# Altium PCB FMC_ADC_100M_10B_16CHA_TDC.PcbDoc (part 1 of 4) (continued)
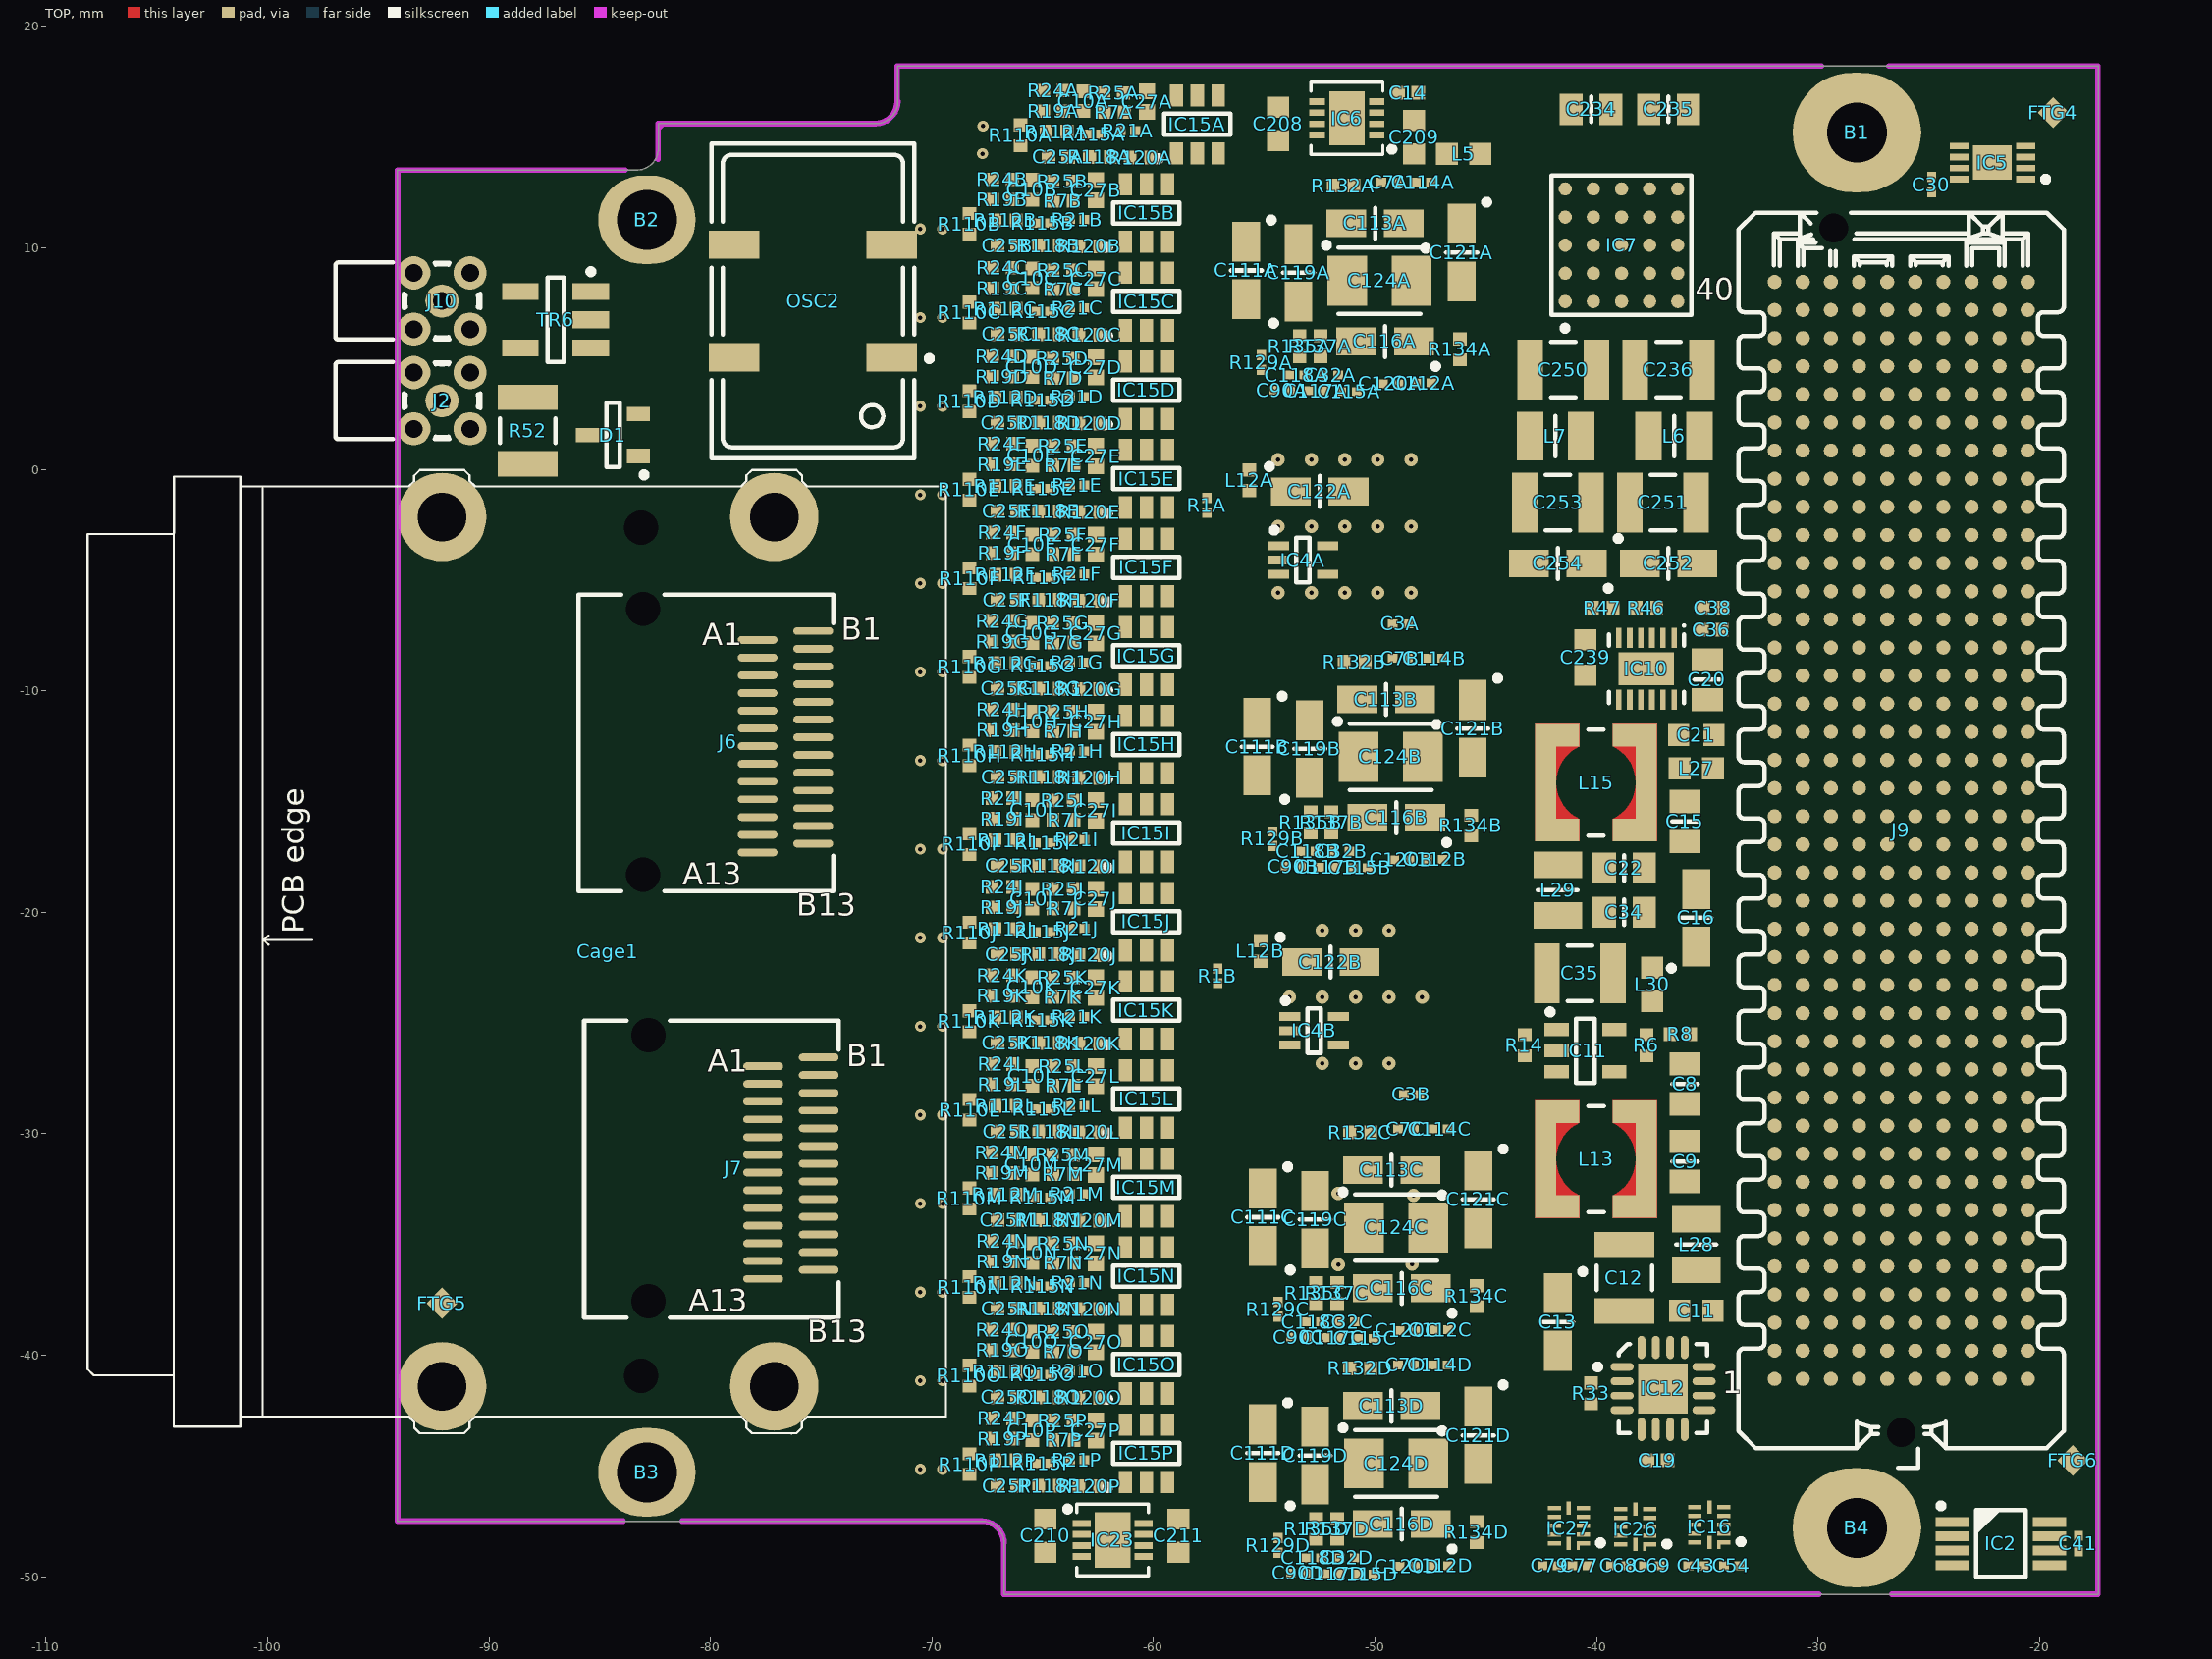
[diagram p0: TOP view]
## Classes and differential pairs (continued)
component class U_CFD6: C10G C23G C24G C25G C26G C27G C89G IC15G IC22G J1G J5G R7G R19G R21G R24G R25G R110G R111G R112G R113G R114G R115G R116G R117G R118G R120G
component class U_CFD5: C10F C23F C24F C25F C26F C27F C89F IC15F IC22F J1F J5F R7F R19F R21F R24F R25F R110F R111F R112F R113F R114F R115F R116F R117F R118F R120F
component class U_CFD4: C10E C23E C24E C25E C26E C27E C89E IC15E IC22E J1E J5E R7E R19E R21E R24E R25E R110E R111E R112E R113E R114E R115E R116E R117E R118E R120E
component class U_ADC0: C1A C2A C3A C4A C5A C6A C122A IC1A IC4A L12A R1A
component class U_ADC1: C1B C2B C3B C4B C5B C6B C122B IC1B IC4B L12B R1B
component class U_SAS_Connectors: Cage1 J6 J7 L1 L2 L4 L11 L14 L16 L17 L18 L19 L20 L21 L22 L23 L24 L25 L26
component class U_CFD3: C10D C23D C24D C25D C26D C27D C89D IC15D IC22D J1D J5D R7D R19D R21D R24D R25D R110D R111D R112D R113D R114D R115D R116D R117D R118D R120D
component class U_CFD2: C10C C23C C24C C25C C26C C27C C89C IC15C IC22C J1C J5C R7C R19C R21C R24C R25C R110C R111C R112C R113C R114C R115C R116C R117C R118C R120C
component class U_CFD1: C10B C23B C24B C25B C26B C27B C89B IC15B IC22B J1B J5B R7B R19B R21B R24B R25B R110B R111B R112B R113B R114B R115B R116B R117B R118B R120B
component class U_CFD0: C10A C23A C24A C25A C26A C27A C89A IC15A IC22A J1A J5A R7A R19A R21A R24A R25A R110A R111A R112A R113A R114A R115A R116A R117A R118A R120A
pad class Direc: B1-1 B2-1 B3-1 B4-1 J3-37 J3-38
pad class SMA: J6-2 J7-2
component class "U_FMC connector": B1 B2 B3 B4 J9 R23 R27 R74
component class U_Clock_circuit: C28 C29 C33 C44 C45 C46 C47 C48 C49 C50 C51 C52 C53 C55 C56 C57 C58 C59 C60 C61 C62 C63 C70 C71 C72 C73 C74 C75 C123 C131 C196 IC3 IC24 J10 L3 L10 OSC2 R20 R26 R29 R30 R31 R40 R48 R54 R82 R165 TP15 TP30 TR6
component class U_EEPROM_Temp: C30 C31 C41 FTG1 FTG2 FTG3 FTG4 FTG5 FTG6 IC2 IC5 IC13 R4 R5 R32 R39 R42 R43 R44
component class U_power_supply: C8 C9 C11 C12 C13 C14 C15 C16 C17 C18 C19 C20 C21 C22 C34 C35 C36 C38 C208 C209 C210 C211 C212 C233 C234 C235 C236 C239 C248 C250 C251 C252 C253 C254 IC6 IC7 IC9 IC10 IC11 IC12 IC23 L5 L6 L7 L8 L9 L13 L15 L27 L28 L29 L30 LD3 LD5 LD8 R6 R8 R9 R11 R14 R17 R33 R34 R36 R38 R45 R46 R47 R49 TP2 TP3 TP4 TP5 TP6 TP7 TP8 TP9
component class IDX_CTRL: C40 C42 C103 C104 D1 IC14 IC17 L31 R50 R52 R75 T3
channel class ADC: U_ADC0 U_ADC1
differential pair VCXO: +VCXO_P -VCXO_N
differential pair LCLKINA: +LCLKINA_P -LCLKINA_N
differential pair LA16: +LA16_P -LA16_N
differential pair IDX3.SIG: +IDX3.SIG_P -IDX3.SIG_N
differential pair IDX2.SIG: +IDX2.SIG_P -IDX2.SIG_N
differential pair IDX1.SIG: +IDX1.SIG_P -IDX1.SIG_N
differential pair IDX0.SIG: +IDX0.SIG_P -IDX0.SIG_N
differential pair CLK1_M2C: +CLK1_M2C_P -CLK1_M2C_N
differential pair CLK0_M2C: +CLK0_M2C_P -CLK0_M2C_N
differential pair VCXO_IN: +VCXO_IN_P -VCXO_IN_N
differential pair SYSREF: +SYSREF_P -SYSREF_N
differential pair REFCLKD: +REFCLKD_P -REFCLKD_N
differential pair REFCLKC: +REFCLKC_P -REFCLKC_N
differential pair REFCLKB: +REFCLKB_P -REFCLKB_N
differential pair REFCLKA: +REFCLKA_P -REFCLKA_N
differential pair REFB: +REFB_P -REFB_N
differential pair REFA: +REFA_P -REFA_N
differential pair LCLKIND: +LCLKIND_P -LCLKIND_N
differential pair LCLKINC: +LCLKINC_P -LCLKINC_N
differential pair LCLKINB: +LCLKINB_P -LCLKINB_N
differential pair ADC_CLKB: +ADC_CLKB_P -ADC_CLKB_N
differential pair ADC_CLKA: +ADC_CLKA_P -ADC_CLKA_N
differential pair RF_AUX: +RF_AUX_P -RF_AUX_N
differential pair CLK3_BIDIR: +CLK3_BIDIR_P -CLK3_BIDIR_N

## Components (designator, comment, footprint, x,y, rotation, side; value= is the part's Value field where it differs from the comment)
B1 "Plated Hole" MTG300_600#1 -28.247,15.21 r0 top locked
B2 "Plated Hole" MTG300_600#2 -82.872,11.264 r0 top locked
B3 "Plated Hole" MTG300_600#3 -82.872,-45.286 r0 top locked
B4 "Plated Hole" MTG300_600#1 -28.247,-47.79 r0 top
C1A "100nF" CAPC0603X33N -57.25,-1.971 r0 bottom (schematic designator C1)
C1B "100nF" CAPC0603X33N -56.75,-23.221 r0 bottom (schematic designator C1)
C2A "100nF" CAPC0603X33N -57.25,-1.271 r0 bottom (schematic designator C2)
C2B "100nF" CAPC0603X33N -56.75,-22.521 r0 bottom (schematic designator C2)
C3A "100nF" CAPC0603X33N -48.85,-6.971 r0 top (schematic designator C3)
C3B "100nF" CAPC0603X33N -48.35,-28.221 r0 top (schematic designator C3)
C4A "100nF" CAPC0603X33N -57.25,-2.671 r0 bottom (schematic designator C4)
C4B "100nF" CAPC0603X33N -56.75,-23.921 r0 bottom (schematic designator C4)
C5A "100nF" CAPC0603X33N -57.25,-0.571 r0 bottom (schematic designator C5)
C5B "100nF" CAPC0603X33N -56.75,-21.821 r0 bottom (schematic designator C5)
C6A "100nF" CAPC0603X33N -57.275,-5.821 r0 bottom (schematic designator C6)
C6B "100nF" CAPC0603X33N -56.775,-27.071 r0 bottom (schematic designator C6)
C7A "100nF" CAPC0603X33N -49.36,12.963 r180 top (schematic designator C7)
C7B "100nF" CAPC0603X33N -48.86,-8.537 r180 top (schematic designator C7)
C7C "100nF" CAPC0603X33N -48.61,-29.787 r180 top (schematic designator C7)
C7D "100nF" CAPC0603X33N -48.61,-40.437 r180 top (schematic designator C7)
C8 "22uF" CAPC2012X135N -36,-27.75 r90 top
C9 "22uF" CAPC2012X135N -36,-31.25 r270 top
C10A "220pF" CAPC1005X55N -63.175,16.625 r270 top (schematic designator C10)
C10B "220pF" CAPC1005X55N -65.475,12.625 r270 top (schematic designator C10)
C10C "220pF" CAPC1005X55N -65.475,8.625 r270 top (schematic designator C10)
C10D "220pF" CAPC1005X55N -65.475,4.625 r270 top (schematic designator C10)
C10E "220pF" CAPC1005X55N -65.475,0.61 r270 top (schematic designator C10)
C10F "220pF" CAPC1005X55N -65.475,-3.39 r270 top (schematic designator C10)
C10G "220pF" CAPC1005X55N -65.475,-7.39 r270 top (schematic designator C10)
C10H "220pF" CAPC1005X55N -65.475,-11.39 r270 top (schematic designator C10)
C10I "220pF" CAPC1005X55N -65.475,-15.39 r270 top (schematic designator C10)
C10J "220pF" CAPC1005X55N -65.475,-19.39 r270 top (schematic designator C10)
C10K "220pF" CAPC1005X55N -65.475,-23.39 r270 top (schematic designator C10)
C10L "220pF" CAPC1005X55N -65.475,-27.39 r270 top (schematic designator C10)
C10M "220pF" CAPC1005X55N -65.475,-31.39 r270 top (schematic designator C10)
C10N "220pF" CAPC1005X55N -65.475,-35.39 r270 top (schematic designator C10)
C10O "220pF" CAPC1005X55N -65.475,-39.39 r270 top (schematic designator C10)
C10P "220pF" CAPC1005X55N -65.475,-43.39 r270 top (schematic designator C10)
C11 "4.7uF" CAPC1709X95N -35.5,-38 r180 top
C12 "47uF" CAPC3225X270N -38.75,-36.5 r270 top
C13 "10uF" CAPMP3216X180N -41.75,-38.5 r270 top
C14 "10nF" CAPC1005X55N -48.5,17 r180 top
C15 "22uF" CAPC2012X135N -36,-15.9 r90 top
C16 "10uF" CAPMP3216X180N -35.5,-20.25 r90 top
C17 "10nF" CAPC1005X55N -81.5,-21.75 r0 bottom
C18 "10nF" CAPC1005X55N -63,-48.8 r270 bottom
C19 "10nF" CAPC1005X55N -37.25,-44.75 r0 top
C20 "10uF" CAPC2012X135N -35,-9.5 r270 top
C21 "2.2uF" CAPC1608X87N -35.5,-12 r180 top
C22 "22uF" CAPC2012X135N -38.75,-18 r180 top
C23A "100nF" CAPC0603X33N -56.825,17.35 r0 bottom (schematic designator C23)
C23B "100nF" CAPC0603X33N -59.125,13.35 r0 bottom (schematic designator C23)
C23C "100nF" CAPC0603X33N -59.125,9.35 r0 bottom (schematic designator C23)
C23D "100nF" CAPC0603X33N -59.125,5.35 r0 bottom (schematic designator C23)
C23E "100nF" CAPC0603X33N -59.125,1.35 r0 bottom (schematic designator C23)
C23F "100nF" CAPC0603X33N -59.125,-2.65 r0 bottom (schematic designator C23)
C23G "100nF" CAPC0603X33N -59.125,-6.65 r0 bottom (schematic designator C23)
C23H "100nF" CAPC0603X33N -59.125,-10.65 r0 bottom (schematic designator C23)
C23I "100nF" CAPC0603X33N -59.125,-14.65 r0 bottom (schematic designator C23)
C23J "100nF" CAPC0603X33N -59.125,-18.65 r0 bottom (schematic designator C23)
C23K "100nF" CAPC0603X33N -59.125,-22.65 r0 bottom (schematic designator C23)
C23L "100nF" CAPC0603X33N -59.125,-26.65 r0 bottom (schematic designator C23)
C23M "100nF" CAPC0603X33N -59.125,-30.65 r0 bottom (schematic designator C23)
C23N "100nF" CAPC0603X33N -59.125,-34.65 r0 bottom (schematic designator C23)
C23O "100nF" CAPC0603X33N -59.125,-38.65 r0 bottom (schematic designator C23)
C23P "100nF" CAPC0603X33N -59.125,-42.65 r0 bottom (schematic designator C23)
C24A "100nF" CAPC0603X33N -69.9,15 r90 bottom (schematic designator C24)
C24B "100nF" CAPC0603X33N -72.2,11 r90 bottom (schematic designator C24)
C24C "100nF" CAPC0603X33N -72.2,7 r90 bottom (schematic designator C24)
C24D "100nF" CAPC0603X33N -72.2,3 r90 bottom (schematic designator C24)
C24E "100nF" CAPC0603X33N -72.2,-1 r90 bottom (schematic designator C24)
C24F "100nF" CAPC0603X33N -72.2,-5 r90 bottom (schematic designator C24)
C24G "100nF" CAPC0603X33N -72.2,-9 r90 bottom (schematic designator C24)
C24H "100nF" CAPC0603X33N -72.2,-13 r90 bottom (schematic designator C24)
C24I "100nF" CAPC0603X33N -72.2,-17 r90 bottom (schematic designator C24)
C24J "100nF" CAPC0603X33N -72.2,-21 r90 bottom (schematic designator C24)
C24K "100nF" CAPC0603X33N -72.2,-25 r90 bottom (schematic designator C24)
C24L "100nF" CAPC0603X33N -72.2,-29 r90 bottom (schematic designator C24)
C24M "100nF" CAPC0603X33N -72.2,-33 r90 bottom (schematic designator C24)
C24N "100nF" CAPC0603X33N -72.2,-37 r90 bottom (schematic designator C24)
C24O "100nF" CAPC0603X33N -72.2,-41 r90 bottom (schematic designator C24)
C24P "100nF" CAPC0603X33N -72.2,-45 r90 bottom (schematic designator C24)
C25A "10nF" CAPC1005X55N -64.3,14.1 r0 top (schematic designator C25)
C25B "10nF" CAPC1005X55N -66.6,10.1 r0 top (schematic designator C25)
C25C "10nF" CAPC1005X55N -66.6,6.1 r0 top (schematic designator C25)
C25D "10nF" CAPC1005X55N -66.6,2.1 r0 top (schematic designator C25)
C25E "10nF" CAPC1005X55N -66.6,-1.9 r0 top (schematic designator C25)
C25F "10nF" CAPC1005X55N -66.6,-5.9 r0 top (schematic designator C25)
C25G "10nF" CAPC1005X55N -66.6,-9.9 r0 top (schematic designator C25)
C25H "10nF" CAPC1005X55N -66.6,-13.9 r0 top (schematic designator C25)
C25I "10nF" CAPC1005X55N -66.6,-17.9 r0 top (schematic designator C25)
C25J "10nF" CAPC1005X55N -66.6,-21.9 r0 top (schematic designator C25)
C25K "10nF" CAPC1005X55N -66.6,-25.9 r0 top (schematic designator C25)
C25L "10nF" CAPC1005X55N -66.6,-29.9 r0 top (schematic designator C25)
C25M "10nF" CAPC1005X55N -66.6,-33.9 r0 top (schematic designator C25)
C25N "10nF" CAPC1005X55N -66.6,-37.9 r0 top (schematic designator C25)
C25O "10nF" CAPC1005X55N -66.6,-41.9 r0 top (schematic designator C25)
C25P "10nF" CAPC1005X55N -66.6,-45.9 r0 top (schematic designator C25)
C26A "100nF" CAPC0603X33N -65.575,14.35 r270 bottom (schematic designator C26)
C26B "100nF" CAPC0603X33N -67.875,10.35 r270 bottom (schematic designator C26)
C26C "100nF" CAPC0603X33N -67.875,6.35 r270 bottom (schematic designator C26)
C26D "100nF" CAPC0603X33N -67.875,2.35 r270 bottom (schematic designator C26)
C26E "100nF" CAPC0603X33N -67.875,-1.65 r270 bottom (schematic designator C26)
C26F "100nF" CAPC0603X33N -67.875,-5.65 r270 bottom (schematic designator C26)
C26G "100nF" CAPC0603X33N -67.875,-9.65 r270 bottom (schematic designator C26)
C26H "100nF" CAPC0603X33N -67.875,-13.65 r270 bottom (schematic designator C26)
C26I "100nF" CAPC0603X33N -67.875,-17.65 r270 bottom (schematic designator C26)
C26J "100nF" CAPC0603X33N -67.875,-21.65 r270 bottom (schematic designator C26)
C26K "100nF" CAPC0603X33N -67.875,-25.65 r270 bottom (schematic designator C26)
C26L "100nF" CAPC0603X33N -67.875,-29.65 r270 bottom (schematic designator C26)
C26M "100nF" CAPC0603X33N -67.875,-33.65 r270 bottom (schematic designator C26)
C26N "100nF" CAPC0603X33N -67.875,-37.65 r270 bottom (schematic designator C26)
C26O "100nF" CAPC0603X33N -67.875,-41.65 r270 bottom (schematic designator C26)
C26P "100nF" CAPC0603X33N -67.875,-45.65 r270 bottom (schematic designator C26)
C27A "6.8pF" CAPC1005X70N -60.3,16.6 r270 top (schematic designator C27)
C27B "6.8pF" CAPC1005X70N -62.6,12.6 r270 top (schematic designator C27)
C27C "6.8pF" CAPC1005X70N -62.6,8.6 r270 top (schematic designator C27)
C27D "6.8pF" CAPC1005X70N -62.6,4.6 r270 top (schematic designator C27)
C27E "6.8pF" CAPC1005X70N -62.6,0.6 r270 top (schematic designator C27)
C27F "6.8pF" CAPC1005X70N -62.6,-3.4 r270 top (schematic designator C27)
C27G "6.8pF" CAPC1005X70N -62.6,-7.4 r270 top (schematic designator C27)
C27H "6.8pF" CAPC1005X70N -62.6,-11.4 r270 top (schematic designator C27)
C27I "6.8pF" CAPC1005X70N -62.6,-15.4 r270 top (schematic designator C27)
C27J "6.8pF" CAPC1005X70N -62.6,-19.4 r270 top (schematic designator C27)
C27K "6.8pF" CAPC1005X70N -62.6,-23.4 r270 top (schematic designator C27)
C27L "6.8pF" CAPC1005X70N -62.6,-27.4 r270 top (schematic designator C27)
C27M "6.8pF" CAPC1005X70N -62.6,-31.4 r270 top (schematic designator C27)
C27N "6.8pF" CAPC1005X70N -62.6,-35.4 r270 top (schematic designator C27)
C27O "6.8pF" CAPC1005X70N -62.6,-39.4 r270 top (schematic designator C27)
C27P "6.8pF" CAPC1005X70N -62.6,-43.4 r270 top (schematic designator C27)
C28 "100nF" CAPC0603X33N -89.125,-5.65 r315 bottom
C29 "100nF" CAPC0603X33N -87.875,-4.4 r315 bottom
C30 "100nF" CAPC0603X33N -24.875,12.85 r90 top
C31 "100nF" CAPC0603X33N -83.125,-35.4 r0 bottom
C32A "100nF" CAPC0603X33N -52.007,4.251 r0 top (schematic designator C32)
C32B "100nF" CAPC0603X33N -51.507,-17.249 r0 top (schematic designator C32)
C32C "100nF" CAPC0603X33N -51.257,-38.499 r0 top (schematic designator C32)
C32D "100nF" CAPC0603X33N -51.257,-49.149 r0 top (schematic designator C32)
C33 "100nF" CAPC0603X33N -80.4,7 r180 bottom
C34 "22uF" CAPC2012X135N -38.75,-20 r180 top
C35 "47uF" CAPC3225X270N -40.75,-22.75 r0 top
C36 "100nF" CAPC1005X55N -34.8,-7.25 r180 top
C37 "100nF" CAPC0603X33N -92.625,-28.9 r0 bottom
C38 "100nF" CAPC1005X55N -34.75,-6.25 r180 top
C39 "100nF" CAPC0603X33N -90.675,-27.4 r180 bottom
C40 "1uF" CAPC1005X55N -79.25,10.45 r270 bottom
C41 "100nF" CAPC0603X33N -18.25,-48.5 r270 top
C42 "100nF" CAPC0603X33N -79,8.65 r90 bottom
C43 "100nF" CAPC0603X33N -35.5,-49.5 r0 top
C44 "100nF" CAPC0603X33N -91.378,-7.897 r315 bottom
C45 "100nF" CAPC0603X33N -78.122,-11.147 r225 bottom
C46 "100nF" CAPC0603X33N -80.622,-15.147 r225 bottom
C47 "100nF" CAPC0603X33N -92.875,-9.9 r225 bottom
C48 "100nF" CAPC0603X33N -89,8 r180 bottom
C49 "100nF" CAPC0603X33N -90.625,-16.9 r135 bottom
C50 "100nF" CAPC0603X33N -84.375,-4.9 r225 bottom
C51 "100nF" CAPC0603X33N -92.625,-14.65 r135 bottom
C52 "100nF" CAPC0603X33N -90.125,-6.65 r315 bottom
C53 "100nF" CAPC0603X33N -81.878,-7.653 r225 bottom
C54 "100nF" CAPC0603X33N -33.9,-49.5 r180 top
C55 "100nF" CAPC0603X33N -80.878,-8.653 r225 bottom
C56 "100nF" CAPC0603X33N -87.375,-20.15 r135 bottom
C57 "100nF" CAPC0603X33N -81.628,-16.647 r135 bottom
C58 "100nF" CAPC0603X33N -84.125,-19.4 r135 bottom
C59 "100nF" CAPC0603X33N -79.872,-9.647 r225 bottom
C60 "100nF" CAPC0603X33N -78.622,-10.647 r225 bottom
C61 "100nF" CAPC0603X33N -85.625,-20.65 r135 bottom
C62 "100nF" CAPC0603X33N -84.875,-4.4 r225 bottom
C63 "470nF" CAPC1005X55N -92.557,-18.468 r135 bottom
C64 "100nF" CAPC0603X33N -46.75,17.25 r0 bottom
C65 "100nF" CAPC0603X33N -45.15,17.25 r180 bottom
C66 "100nF" CAPC0603X33N -42.5,-43 r0 bottom
C67 "100nF" CAPC0603X33N -41,-43 r180 bottom
C68 "100nF" CAPC0603X33N -39,-49.5 r0 top
C69 "100nF" CAPC0603X33N -37.5,-49.5 r180 top
C70 "100nF" CAPC0603X33N -81.15,9 r0 bottom
C71 "100nF" CAPC0603X33N -76.75,3.5 r90 bottom
C72 "470nF" CAPC1005X55N -75.75,2.25 r270 bottom
C73 "5.6nF" CAPC2012X88N -91.125,-21.5 r90 bottom
C74 "820nF" CAPC3216X130N -89.725,-24.65 r0 bottom
C75 "1.2nF" CAPC1608X80N -92.095,-17.18 r135 bottom
C76 "100nF" CAPC0603X33N -34.25,16.35 r270 bottom
C77 "100nF" CAPC0603X33N -40.75,-49.5 r180 top
C78 "100nF" CAPC0603X33N -41.15,16 r180 bottom
C79 "100nF" CAPC0603X33N -42.1,-49.5 r0 top
C83 "100nF" CAPC0603X33N -90.675,-35.4 r180 bottom
C87 "100nF" CAPC0603X33N -90.625,-37.4 r180 bottom
C89A "100nF" CAPC0603X33N -65.575,16 r90 bottom (schematic designator C89)
C89B "100nF" CAPC0603X33N -67.875,12 r90 bottom (schematic designator C89)
C89C "100nF" CAPC0603X33N -67.875,8 r90 bottom (schematic designator C89)
C89D "100nF" CAPC0603X33N -67.875,4 r90 bottom (schematic designator C89)
C89E "100nF" CAPC0603X33N -67.875,0 r90 bottom (schematic designator C89)
C89F "100nF" CAPC0603X33N -67.875,-4 r90 bottom (schematic designator C89)
C89G "100nF" CAPC0603X33N -67.875,-8 r90 bottom (schematic designator C89)
C89H "100nF" CAPC0603X33N -67.875,-12 r90 bottom (schematic designator C89)
C89I "100nF" CAPC0603X33N -67.875,-16 r90 bottom (schematic designator C89)
C89J "100nF" CAPC0603X33N -67.875,-20 r90 bottom (schematic designator C89)
C89K "100nF" CAPC0603X33N -67.875,-24 r90 bottom (schematic designator C89)
C89L "100nF" CAPC0603X33N -67.875,-28 r90 bottom (schematic designator C89)
C89M "100nF" CAPC0603X33N -67.875,-32 r90 bottom (schematic designator C89)
C89N "100nF" CAPC0603X33N -67.875,-36 r90 bottom (schematic designator C89)
C89O "100nF" CAPC0603X33N -67.875,-40 r90 bottom (schematic designator C89)
C89P "100nF" CAPC0603X33N -67.875,-44 r90 bottom (schematic designator C89)
C90A "100nF" CAPC0603X33N -54.192,3.565 r0 top (schematic designator C90)
C90B "100nF" CAPC0603X33N -53.692,-17.935 r0 top (schematic designator C90)
C90C "100nF" CAPC0603X33N -53.442,-39.185 r0 top (schematic designator C90)
C90D "100nF" CAPC0603X33N -53.442,-49.835 r0 top (schematic designator C90)
C103 "100nF" CAPC0603X33N -86,5.4 r90 bottom
C104 "10nF" CAPC0603X33N -85.25,5.5 r90 bottom
C111A "33uF" CAPMP3216X180N -55.817,8.98 r270 top (schematic designator C111)
C111B "33uF" CAPMP3216X180N -55.317,-12.52 r270 top (schematic designator C111)
C111C "33uF" CAPMP3216X180N -55.067,-33.77 r270 top (schematic designator C111)
C111D "33uF" CAPMP3216X180N -55.067,-44.42 r270 top (schematic designator C111)
C112A "100nF" CAPC0603X33N -47.796,3.895 r0 top (schematic designator C112)
C112B "100nF" CAPC0603X33N -47.296,-17.605 r0 top (schematic designator C112)
C112C "100nF" CAPC0603X33N -47.046,-38.855 r0 top (schematic designator C112)
C112D "100nF" CAPC0603X33N -47.046,-49.505 r0 top (schematic designator C112)
C113A "100uF" CAPMP3216X180N -50.001,11.109 r180 top (schematic designator C113)
C113B "100uF" CAPMP3216X180N -49.501,-10.391 r180 top (schematic designator C113)
C113C "100uF" CAPMP3216X180N -49.251,-31.641 r180 top (schematic designator C113)
C113D "100uF" CAPMP3216X180N -49.251,-42.291 r180 top (schematic designator C113)
C114A "100nF" CAPC0603X33N -47.816,12.963 r0 top (schematic designator C114)
C114B "100nF" CAPC0603X33N -47.316,-8.537 r0 top (schematic designator C114)
C114C "100nF" CAPC0603X33N -47.066,-29.787 r0 top (schematic designator C114)
C114D "100nF" CAPC0603X33N -47.066,-40.437 r0 top (schematic designator C114)
C115A "100nF" CAPC0603X33N -51.175,3.514 r180 top (schematic designator C115)
C115B "100nF" CAPC0603X33N -50.675,-17.986 r180 top (schematic designator C115)
C115C "100nF" CAPC0603X33N -50.425,-39.236 r180 top (schematic designator C115)
C115D "100nF" CAPC0603X33N -50.425,-49.886 r180 top (schematic designator C115)
C116A "33uF" CAPMP3216X180N -49.543,5.775 r180 top (schematic designator C116)
C116B "33uF" CAPMP3216X180N -49.043,-15.725 r180 top (schematic designator C116)
C116C "33uF" CAPMP3216X180N -48.793,-36.975 r180 top (schematic designator C116)
C116D "33uF" CAPMP3216X180N -48.793,-47.625 r180 top (schematic designator C116)
C117A "100nF" CAPC0603X33N -52.673,3.54 r0 top (schematic designator C117)
C117B "100nF" CAPC0603X33N -52.173,-17.96 r0 top (schematic designator C117)
C117C "100nF" CAPC0603X33N -51.923,-39.21 r0 top (schematic designator C117)
C117D "100nF" CAPC0603X33N -51.923,-49.86 r0 top (schematic designator C117)
C118A "100nF" CAPC0603X33N -53.531,4.251 r180 top (schematic designator C118)
C118B "100nF" CAPC0603X33N -53.031,-17.249 r180 top (schematic designator C118)
C118C "100nF" CAPC0603X33N -52.781,-38.499 r180 top (schematic designator C118)
C118D "100nF" CAPC0603X33N -52.781,-49.149 r180 top (schematic designator C118)
C119A "100uF" CAPMP3216X180N -53.455,8.874 r90 top (schematic designator C119)
C119B "100uF" CAPMP3216X180N -52.955,-12.626 r90 top (schematic designator C119)
C119C "100uF" CAPMP3216X180N -52.705,-33.876 r90 top (schematic designator C119)
C119D "100uF" CAPMP3216X180N -52.705,-44.526 r90 top (schematic designator C119)
C120A "100nF" CAPC0603X33N -49.295,3.87 r0 top (schematic designator C120)
C120B "100nF" CAPC0603X33N -48.795,-17.63 r0 top (schematic designator C120)
C120C "100nF" CAPC0603X33N -48.545,-38.88 r0 top (schematic designator C120)
C120D "100nF" CAPC0603X33N -48.545,-49.53 r0 top (schematic designator C120)
C121A "100uF" CAPMP3216X180N -46.089,9.788 r270 top (schematic designator C121)
C121B "100uF" CAPMP3216X180N -45.589,-11.712 r270 top (schematic designator C121)
C121C "100uF" CAPMP3216X180N -45.339,-32.962 r270 top (schematic designator C121)
C121D "100uF" CAPMP3216X180N -45.339,-43.612 r270 top (schematic designator C121)
C122A "33uF" CAPMP3216X180N -52.5,-1 r0 top (schematic designator C122)
C122B "33uF" CAPMP3216X180N -52,-22.25 r0 top (schematic designator C122)
C123 "1uF" CAPC1005X55N -83.25,7.45 r270 bottom
C124A "220uF" CAPMP3528X210N -49.797,8.518 r0 top (schematic designator C124)
C124B "220uF" CAPMP3528X210N -49.297,-12.982 r0 top (schematic designator C124)
C124C "220uF" CAPMP3528X210N -49.047,-34.232 r0 top (schematic designator C124)
C124D "220uF" CAPMP3528X210N -49.047,-44.882 r0 top (schematic designator C124)
C131 "100nF" CAPC0603X33N -84.25,7.5 r270 bottom
C196 "4.7uF" CAPC1608X87N -79.5,2.75 r90 bottom
C208 "4.7uF" CAPC1709X95N -54.375,15.6 r270 top
C209 "4.7uF" CAPC1709X95N -48.25,15 r270 top
C210 "4.7uF" CAPC1709X95N -64.875,-48.15 r90 top
C211 "4.7uF" CAPC1709X95N -58.875,-48.15 r90 top
C212 "4.7uF" CAPC1709X95N -79.875,-20.15 r180 bottom
C233 "100nF" CAPC1005X55N -37.125,11.15 r270 bottom
C234 "22uF" CAPC2012X135N -40.25,16.25 r180 top
C235 "22uF" CAPC2012X135N -36.75,16.25 r0 top
C236 "47uF" CAPC3225X270N -36.75,4.5 r0 top
C239 "1uF" CAPC1608X87N -40.5,-8.5 r90 top
C248 "4.7uF" CAPC1709X95N -76.875,-20.15 r0 bottom
C250 "47uF" CAPC3225X270N -41.5,4.5 r180 top
C251 "47uF" CAPC3225X270N -37,-1.5 r180 top
C252 "10uF" CAPMP3216X180N -36.75,-4.25 r0 top
C253 "47uF" CAPC3225X270N -41.75,-1.5 r0 top
C254 "10uF" CAPMP3216X180N -41.75,-4.25 r180 top
Cage1 "SAS" TYCO_1888321-2 -83.125,-40.925 r0 top locked
D1 "BAR66" SOT95P240X110-3N -84.4,1.55 r180 top
FTG1 "Use only in PCB" FIDUCIAL_TOP_S100-200 -19.375,16.1 r90 bottom
FTG2 "Use only in PCB" FIDUCIAL_TOP_S100-200 -19,-43 r90 bottom
FTG3 "Use only in PCB" FIDUCIAL_TOP_S100-200 -91.875,11.35 r90 bottom
FTG4 "Use only in PCB" FIDUCIAL_TOP_S100-200 -19.375,16.1 r90 top
FTG5 "Use only in PCB" FIDUCIAL_TOP_S100-200 -92.125,-37.65 r90 top
FTG6 "Use only in PCB" FIDUCIAL_TOP_S100-200 -18.5,-44.75 r90 top
IC1A "ADS5296ARGCT" QFN50P900X900X100-65N-S725 -51.375,-2.575 r270 bottom (schematic designator IC1)
IC1B "ADS5296ARGCT" QFN50P900X900X100-65N-S725 -50.875,-23.825 r270 bottom (schematic designator IC1)
IC2 "LM75AIMM/NOPB" SOP65P490X109-8N -21.75,-48.5 r0 top
IC3 "AD9528BCPZ" QFN50P1000X1000X100-73N-S545 -86.491,-12.266 r45 bottom
IC4A "SN74LV1T125DCKR" SOT65P210X110-5N -53.25,-4.096 r0 top (schematic designator IC4)
IC4B "SN74LV1T125DCKR" SOT65P210X110-5N -52.75,-25.346 r0 top (schematic designator IC4)
IC5 "24AA64T-I/MC" SON50P300X200X100-9N-S175X155 -22.125,13.85 r180 top
IC6 "ADM7171ACPZ-3.3-R7" CP_8_21-L -51.273,15.85 r180 top value=Value
IC7 "LTM4622AEY#PBF" BGA25C127P5X5_625X625X262 -38.875,10.12 r90 top
IC8A "TDC-GPX2" QFN50P900X900X100-65N-S615 -50.575,8.35 r180 bottom (schematic designator IC8)
IC8B "TDC-GPX2" QFN50P900X900X100-65N-S615 -50.075,-13.15 r180 bottom (schematic designator IC8)
IC8C "TDC-GPX2" QFN50P900X900X100-65N-S615 -49.825,-34.4 r180 bottom (schematic designator IC8)
IC8D "TDC-GPX2" QFN50P900X900X100-65N-S615 -49.825,-45.05 r180 bottom (schematic designator IC8)
IC9 "ADM7171ACPZ-3.3-R7" CP_8_21-L -78.523,-22.65 r0 bottom value=Value
IC10 "TPS63710DRRT" SON50P300X80_HS-13N -37.75,-9 r270 top
IC11 "TLV62565DBVT" SOT95P280X145-5N -40.5,-26.25 r0 top
IC12 "ADP1740ACPZ-1.8-R7" QFN65P400X400X100-17N-S225 -37,-41.5 r0 top
IC13 "LM75AIMM/NOPB" SOP65P490X109-8N -82.375,-31.65 r270 bottom
IC14 "Si53340-B-GM" QFN50P300X300X90-17N-S175 -76.5,10 r90 bottom
IC15A "LMH7220MK/NOPB" SOT95P285X100-6N -58.025,15.575 r90 top (schematic designator IC15)
IC15B "LMH7220MK/NOPB" SOT95P285X100-6N -60.325,11.575 r90 top (schematic designator IC15)
IC15C "LMH7220MK/NOPB" SOT95P285X100-6N -60.325,7.575 r90 top (schematic designator IC15)
IC15D "LMH7220MK/NOPB" SOT95P285X100-6N -60.325,3.575 r90 top (schematic designator IC15)
IC15E "LMH7220MK/NOPB" SOT95P285X100-6N -60.325,-0.425 r90 top (schematic designator IC15)
IC15F "LMH7220MK/NOPB" SOT95P285X100-6N -60.325,-4.425 r90 top (schematic designator IC15)
IC15G "LMH7220MK/NOPB" SOT95P285X100-6N -60.325,-8.425 r90 top (schematic designator IC15)
IC15H "LMH7220MK/NOPB" SOT95P285X100-6N -60.325,-12.425 r90 top (schematic designator IC15)
IC15I "LMH7220MK/NOPB" SOT95P285X100-6N -60.325,-16.425 r90 top (schematic designator IC15)
IC15J "LMH7220MK/NOPB" SOT95P285X100-6N -60.325,-20.425 r90 top (schematic designator IC15)
IC15K "LMH7220MK/NOPB" SOT95P285X100-6N -60.325,-24.425 r90 top (schematic designator IC15)
IC15L "LMH7220MK/NOPB" SOT95P285X100-6N -60.325,-28.425 r90 top (schematic designator IC15)
IC15M "LMH7220MK/NOPB" SOT95P285X100-6N -60.325,-32.425 r90 top (schematic designator IC15)
IC15N "LMH7220MK/NOPB" SOT95P285X100-6N -60.325,-36.425 r90 top (schematic designator IC15)
IC15O "LMH7220MK/NOPB" SOT95P285X100-6N -60.325,-40.425 r90 top (schematic designator IC15)
IC15P "LMH7220MK/NOPB" SOT95P285X100-6N -60.325,-44.425 r90 top (schematic designator IC15)
IC16 "TXB0304RUTR" "TEXAS_RUT (R-PUQFN-N12)" -34.909,-47.648 r180 top
IC17 "SN65LVDM176DGK" "MSOP8 TI/AD" -87.75,2.75 r180 bottom
IC18 "DAC7578SRGE" QFN50P400X400X100-25N-S280 -87.024,-28.807 r90 bottom
IC19 "DAC7578SRGE" QFN50P400X400X100-25N-S280 -87.024,-34.732 r90 bottom
IC20 "REF3025AIDBZT" SOT95P237X112-3N -91.625,-31.8 r270 bottom
IC21 "TXB0304RUTR" "TEXAS_RUT (R-PUQFN-N12)" -46,15.5 r180 bottom
IC22A "LMH6553SD" SDA08C -67.725,14.85 r180 bottom (schematic designator IC22)
IC22B "LMH6553SD" SDA08C -70.025,10.85 r180 bottom (schematic designator IC22)
IC22C "LMH6553SD" SDA08C -70.025,6.85 r180 bottom (schematic designator IC22)
IC22D "LMH6553SD" SDA08C -70.025,2.85 r180 bottom (schematic designator IC22)
IC22E "LMH6553SD" SDA08C -70.025,-1.15 r180 bottom (schematic designator IC22)
IC22F "LMH6553SD" SDA08C -70.025,-5.15 r180 bottom (schematic designator IC22)
IC22G "LMH6553SD" SDA08C -70.025,-9.15 r180 bottom (schematic designator IC22)
IC22H "LMH6553SD" SDA08C -70.025,-13.15 r180 bottom (schematic designator IC22)
IC22I "LMH6553SD" SDA08C -70.025,-17.15 r180 bottom (schematic designator IC22)
IC22J "LMH6553SD" SDA08C -70.025,-21.15 r180 bottom (schematic designator IC22)
IC22K "LMH6553SD" SDA08C -70.025,-25.15 r180 bottom (schematic designator IC22)
IC22L "LMH6553SD" SDA08C -70.025,-29.15 r180 bottom (schematic designator IC22)
IC22M "LMH6553SD" SDA08C -70.025,-33.15 r180 bottom (schematic designator IC22)
IC22N "LMH6553SD" SDA08C -70.025,-37.15 r180 bottom (schematic designator IC22)
IC22O "LMH6553SD" SDA08C -70.025,-41.15 r180 bottom (schematic designator IC22)
IC22P "LMH6553SD" SDA08C -70.025,-45.15 r180 bottom (schematic designator IC22)
IC23 "ADP7105ACPZ-5.0-R7" CP_8_5 -61.847,-48.341 r0 top value=Value
IC24 "Si53340-B-GM" QFN50P300X300X90-17N-S175 -82.75,4.25 r0 bottom
IC25 "TXB0304RUTR" "TEXAS_RUT (R-PUQFN-N12)" -41.659,-44.852 r180 bottom
IC26 "TXB0304RUTR" "TEXAS_RUT (R-PUQFN-N12)" -38.25,-47.75 r180 top
IC27 "TXB0304RUTR" "TEXAS_RUT (R-PUQFN-N12)" -41.25,-47.7 r180 top
IC28 "PCA9306DCTR" SOP65P400X130-8N -37.5,15.5 r180 bottom
J1A "U.FL" HIROSE_U.FL-R-SMT-1(10) -63.075,15.6 r90 bottom (schematic designator J1)
J1B "U.FL" HIROSE_U.FL-R-SMT-1(10) -65.375,11.6 r90 bottom (schematic designator J1)
J1C "U.FL" HIROSE_U.FL-R-SMT-1(10) -65.375,7.6 r90 bottom (schematic designator J1)
J1D "U.FL" HIROSE_U.FL-R-SMT-1(10) -65.375,3.6 r90 bottom (schematic designator J1)
J1E "U.FL" HIROSE_U.FL-R-SMT-1(10) -65.375,-0.4 r90 bottom (schematic designator J1)
J1F "U.FL" HIROSE_U.FL-R-SMT-1(10) -65.375,-4.4 r90 bottom (schematic designator J1)
J1G "U.FL" HIROSE_U.FL-R-SMT-1(10) -65.375,-8.4 r90 bottom (schematic designator J1)
J1H "U.FL" HIROSE_U.FL-R-SMT-1(10) -65.375,-12.4 r90 bottom (schematic designator J1)
J1I "U.FL" HIROSE_U.FL-R-SMT-1(10) -65.375,-16.4 r90 bottom (schematic designator J1)
J1J "U.FL" HIROSE_U.FL-R-SMT-1(10) -65.375,-20.4 r90 bottom (schematic designator J1)
J1K "U.FL" HIROSE_U.FL-R-SMT-1(10) -65.375,-24.4 r90 bottom (schematic designator J1)
J1L "U.FL" HIROSE_U.FL-R-SMT-1(10) -65.375,-28.4 r90 bottom (schematic designator J1)
J1M "U.FL" HIROSE_U.FL-R-SMT-1(10) -65.375,-32.4 r90 bottom (schematic designator J1)
J1N "U.FL" HIROSE_U.FL-R-SMT-1(10) -65.375,-36.4 r90 bottom (schematic designator J1)
J1O "U.FL" HIROSE_U.FL-R-SMT-1(10) -65.375,-40.4 r90 bottom (schematic designator J1)
J1P "U.FL" HIROSE_U.FL-R-SMT-1(10) -65.375,-44.4 r90 bottom (schematic designator J1)
J2 "Coax_1Female_1Shield" "HUBER-SUHNER_85_MMCX-50-0-1/111 OH" -92.125,3.1 r180 top
J5A "U.FL" HIROSE_U.FL-R-SMT-1(10) -59.325,15.6 r270 bottom (schematic designator J5)
J5B "U.FL" HIROSE_U.FL-R-SMT-1(10) -61.625,11.6 r270 bottom (schematic designator J5)
J5C "U.FL" HIROSE_U.FL-R-SMT-1(10) -61.625,7.6 r270 bottom (schematic designator J5)
J5D "U.FL" HIROSE_U.FL-R-SMT-1(10) -61.625,3.6 r270 bottom (schematic designator J5)
J5E "U.FL" HIROSE_U.FL-R-SMT-1(10) -61.625,-0.4 r270 bottom (schematic designator J5)
J5F "U.FL" HIROSE_U.FL-R-SMT-1(10) -61.625,-4.4 r270 bottom (schematic designator J5)
J5G "U.FL" HIROSE_U.FL-R-SMT-1(10) -61.625,-8.4 r270 bottom (schematic designator J5)
J5H "U.FL" HIROSE_U.FL-R-SMT-1(10) -61.625,-12.4 r270 bottom (schematic designator J5)
J5I "U.FL" HIROSE_U.FL-R-SMT-1(10) -61.625,-16.4 r270 bottom (schematic designator J5)
J5J "U.FL" HIROSE_U.FL-R-SMT-1(10) -61.625,-20.4 r270 bottom (schematic designator J5)
J5K "U.FL" HIROSE_U.FL-R-SMT-1(10) -61.625,-24.4 r270 bottom (schematic designator J5)
J5L "U.FL" HIROSE_U.FL-R-SMT-1(10) -61.625,-28.4 r270 bottom (schematic designator J5)
J5M "U.FL" HIROSE_U.FL-R-SMT-1(10) -61.625,-32.4 r270 bottom (schematic designator J5)
J5N "U.FL" HIROSE_U.FL-R-SMT-1(10) -61.625,-36.4 r270 bottom (schematic designator J5)
J5O "U.FL" HIROSE_U.FL-R-SMT-1(10) -61.625,-40.4 r270 bottom (schematic designator J5)
J5P "U.FL" HIROSE_U.FL-R-SMT-1(10) -61.625,-44.4 r270 bottom (schematic designator J5)
J6 "SAS" TYCO_1761987-7 -83.055,-18.3 r0 top locked
J7 "SAS" TYCO_1761987-7 -82.805,-37.55 r0 top locked
J9 "VITA 57" SAMTEC_ASP-134488-01 -26.247,-16.3 r270 top locked
J10 "Coax_1Female_1Shield" "HUBER-SUHNER_85_MMCX-50-0-1/111 OH" -92.125,7.6 r180 top
L1 "90R@100MHz" IND_MURATA_DLW21S -75.275,-8.475 r0 bottom
L2 "90R@100MHz" IND_MURATA_DLW21S -73.625,13.35 r0 bottom
L3 "120R@100MHz" INDC1608X65N -78,2.75 r90 bottom
L4 "90R@100MHz" IND_MURATA_DLW21S -75.3,-10.875 r0 bottom
L5 "120R@100MHz" INDC1608X65N -46,14.25 r0 top
L6 "1uH" INDC2620X100N -36.5,1.5 r180 top
L7 "1uH" INDC2620X100N -41.85,1.5 r0 top
L8 "120R@100MHz" INDC1608X65N -82.25,-23 r180 bottom
L9 "120R@100MHz" INDC1608X65N -64.75,-48.25 r270 bottom
L10 "600R@100MHz" INDC1005X55N -85.25,7.79 r270 bottom
L11 "90R@100MHz" IND_MURATA_DLW21S -80.525,-1.55 r90 bottom
L12A "600R@100MHz" INDC1005X55N -55.675,-0.496 r270 top (schematic designator L12)
L12B "600R@100MHz" INDC1005X55N -55.175,-21.746 r270 top (schematic designator L12)
L13 "2.2uH" IND_WURTH_WE-TPC_4828 -40.025,-31.143 r0 top
L14 "90R@100MHz" IND_MURATA_DLW21S -75.475,-13.25 r0 bottom
L15 "2.2uH" IND_WURTH_WE-TPC_4828 -40.025,-14.143 r180 top
L16 "90R@100MHz" IND_MURATA_DLW21S -76.875,-5.4 r0 bottom
L17 "90R@100MHz" IND_MURATA_DLW21S -75.025,-15.25 r0 bottom
L18 "90R@100MHz" IND_MURATA_DLW21S -77.475,-15.05 r90 bottom
L19 "90R@100MHz" IND_MURATA_DLW21S -75.475,-26.8 r90 bottom
L20 "90R@100MHz" IND_MURATA_DLW21S -78.775,-28.3 r0 bottom
L21 "90R@100MHz" IND_MURATA_DLW21S -75.475,-30.05 r0 bottom
L22 "90R@100MHz" IND_MURATA_DLW21S -78.775,-30.5 r0 bottom
L23 "90R@100MHz" IND_MURATA_DLW21S -75.475,-32.55 r0 bottom
L24 "90R@100MHz" IND_MURATA_DLW21S -78.525,-32.8 r0 bottom
L25 "90R@100MHz" IND_MURATA_DLW21S -75.125,-35.9 r270 bottom
L26 "90R@100MHz" IND_MURATA_DLW21S -78.775,-35.3 r0 bottom